# Altium PCB PCB1.PcbDoc (part 3 of 5)
Units mm, origin at the board's own origin, x right, y up, seen from the top; angles counter-clockwise.
Board outline 85 x 56 mm, 6 copper layers (Top Layer, GND, SIG_PWR, Layer 4, PWR, Bottom Layer), stack 1.549 mm thick; 170 components, 334 nets, 1426 pads, 803 vias.
Unrouted connection lines stored in the file: 7.
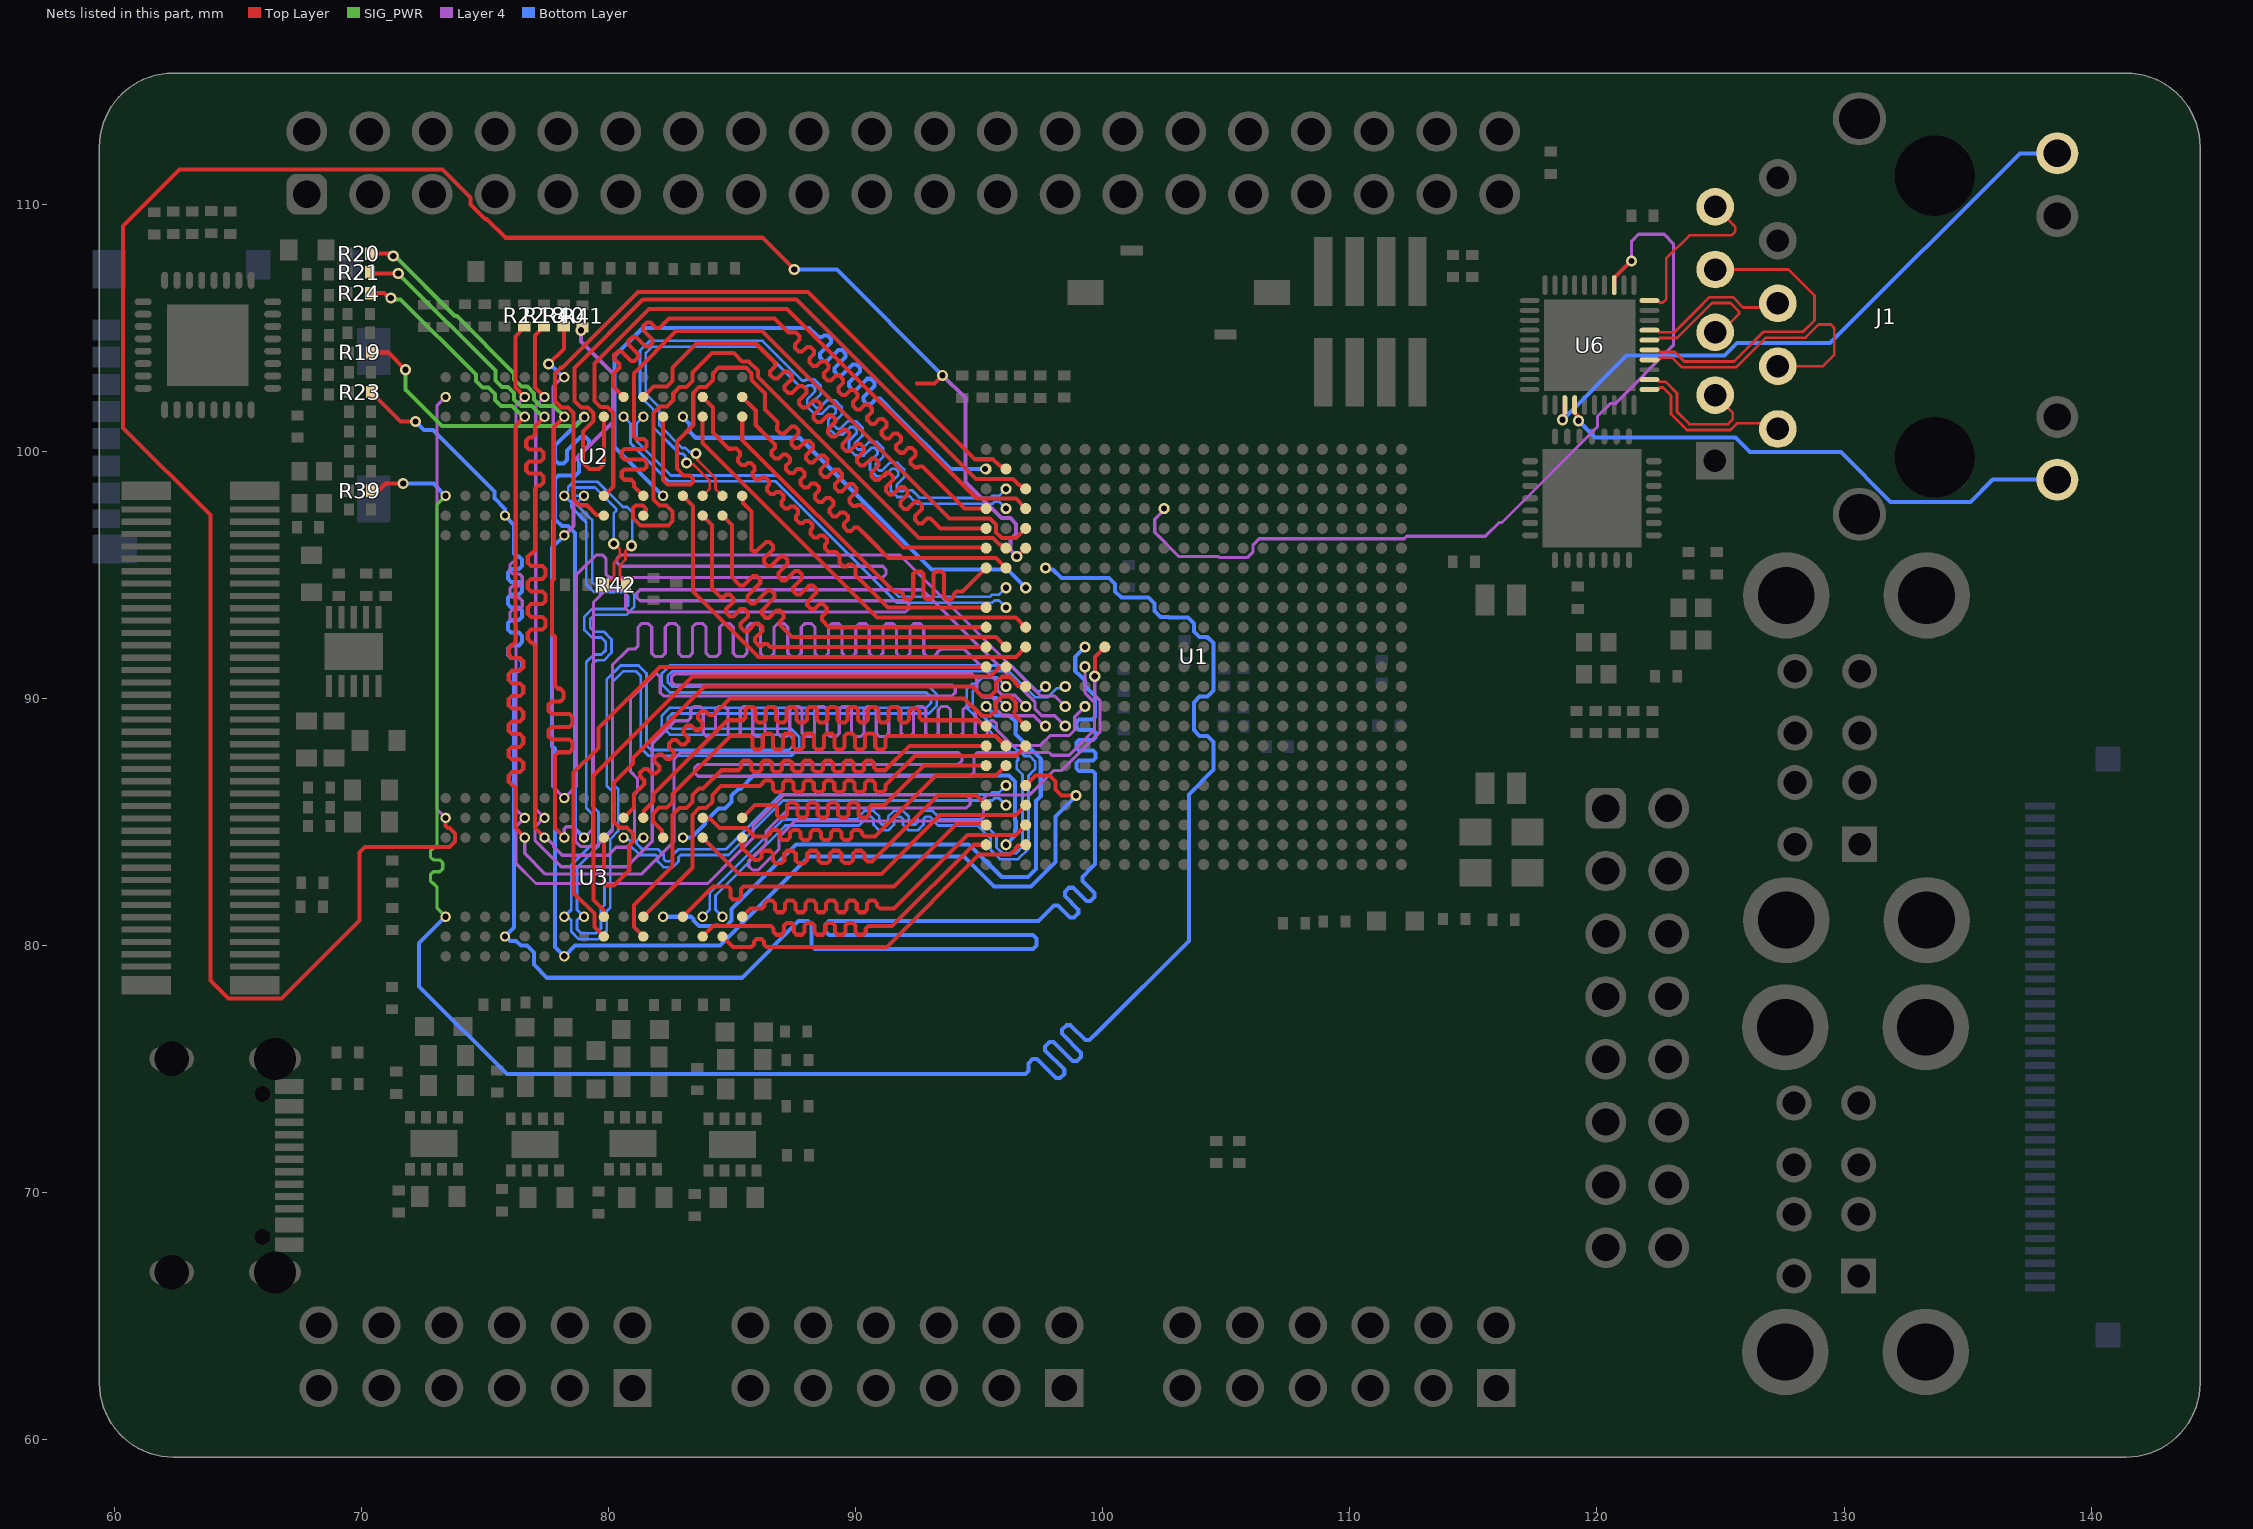
[diagram p7: the nets of this part, all layers, seen from the top]

## Via types
v1: diameter 0.45, hole 0.25, Top Layer to Bottom Layer, tented both sides, 575 vias
v2: diameter 0.4, hole 0.25, Top Layer to Bottom Layer, tented both sides, 212 vias
v3: diameter 0.5, hole 0.3, Top Layer to Bottom Layer, tented both sides, 16 vias

## Nets (pads, with @x,y where several pads share a name; then routed paths per layer and width w, separated by ;. In a path a pad name is that pad's centre, name@x,y a point inside that pad or via, vN(x,y) a via of type N, cw(c..) or ccw(c..) an arc to the next point about the centre after c; other vN are vias at no path point) (continued)
DDR_A14: R39.2 U1.G4 U2.T7 U3.T7 | length 87.3
  Top Layer w0.164: R39.2@70.4,98.4 70.682,98.4 70.982,98.7 v1(71.7,98.7)
  SIG_PWR w0.13: v2(73.418,81.169) 73.063,81.524 73.063,82.321 73.063,82.386 72.943,82.506 72.923,82.506 72.803,82.626 72.803,82.867 72.923,82.987 73.183,82.987 73.303,83.107 73.303,83.347 73.183,83.467 72.923,83.467 72.803,83.587 72.803,83.827 72.923,83.947 72.943,83.947 73.063,84.067 73.063,84.32 73.063,97.845 v2(73.418,98.2)
  Bottom Layer w0.164: v1(71.7,98.7) 72.918,98.7 v2(73.418,98.2) ; v2(73.418,81.169) 72.346,80.097 72.346,78.354 75.9,74.8 96.512,74.8 96.872,74.8 96.993,74.921 96.993,75.238 97.164,75.409 97.335,75.409 98.105,74.639 98.276,74.639 98.447,74.81 98.447,74.981 97.677,75.751 97.677,75.922 97.848,76.094 98.019,76.094 98.79,75.323 98.961,75.323 99.132,75.494 99.132,75.665 98.361,76.436 98.361,76.607 98.532,76.778 98.703,76.778 99.305,76.176 99.476,76.176 99.876,76.576 103.491,80.191 103.491,86.123 104.485,87.117 104.485,88.246 104.249,88.481 103.927,88.481 103.691,88.717 103.691,89.846 103.927,90.081 104.249,90.081 104.485,90.317 104.485,91.184 104.484,91.185 104.484,92.245 104.252,92.477 104.223,92.477 ; v1(97.688,95.281) 97.743,95.226 97.981,95.226 98.33,94.878 100.252,94.878 100.503,94.628 100.503,94.336 100.754,94.084 101.846,94.084 102.092,93.838 102.092,93.546 102.342,93.297 102.664,93.297 102.683,93.278 103.452,93.278 103.692,93.038 103.692,92.717 103.924,92.485 104.215,92.485 104.223,92.477 ; 104.25,92.45 104.223,92.477
DDR_BA0: R22.2 U1.L7 U2.M2 U3.M2 | length 76.3
  Top Layer w0.164: v2(76.618,102.2) 76.236,102.582 76.236,104.641 76.596,105 R22.2@76.646,105 ; v1(99.681,90.897) 99.685,90.901 99.685,91.678 U1.L7@100.088,92.081
  Layer 4 w0.13: v2(76.618,102.2) 76.263,101.845 76.263,96.124 76.263,95.641 76.143,95.521 76.14,95.521 76.02,95.401 76.02,95.161 76.14,95.041 76.4,95.041 76.52,94.921 76.52,94.681 76.4,94.561 76.14,94.561 76.02,94.441 76.02,94.2 76.14,94.08 76.4,94.08 76.52,93.96 76.52,93.72 76.4,93.6 76.14,93.6 76.02,93.48 76.02,93.24 76.14,93.12 76.143,93.12 76.263,93 76.263,92.934 76.263,85.524 v2(76.618,85.169) 76.263,84.814 76.263,83.327 77.075,82.515 84.015,82.515 85.15,83.65 85.85,84.35 85.85,84.85 87.1,86.1 94.486,86.1 94.645,85.941 94.645,85.729 94.486,85.57 87.32,85.57 86.38,84.63 86.38,84.13 85.684,83.434 85.684,83.209 85.834,83.059 86.059,83.059 86.911,83.911 86.911,84.411 87.539,85.039 95.017,85.039 95.176,85.198 95.176,85.941 95.176,85.945 95.331,86.1 95.4,86.1 97.043,86.1 97.044,86.101 97.045,86.101 98.032,87.088 98.344,87.088 99.889,88.633 99.889,89.93 99.681,90.138 v1(99.681,90.897)
DDR_BA1: R23.2 U1.L6 U2.N8 U3.N8 | length 90.9
  Top Layer w0.164: R23.2@70.4,102.4 71.6,101.2 v1(72.2,101.2)
  Bottom Layer w0.164: v1(72.2,101.2) 72.546,100.854 72.906,100.854 75.39,98.37 75.39,98.102 75.818,97.674 v2(75.818,97.4) 76.19,97.028 76.19,96.1 76.19,95.874 76.318,95.745 76.387,95.745 76.515,95.617 76.515,95.36 76.387,95.231 76.068,95.231 75.94,95.103 75.94,94.846 76.068,94.718 76.387,94.718 76.515,94.589 76.515,94.332 76.387,94.204 76.068,94.204 75.94,94.075 75.94,93.818 76.068,93.69 76.387,93.69 76.515,93.561 76.515,93.304 76.387,93.176 76.068,93.176 75.94,93.047 75.94,92.791 76.068,92.662 76.387,92.662 76.515,92.534 76.515,92.277 76.387,92.148 76.068,92.148 75.94,92.02 75.94,91.763 76.068,91.634 76.387,91.634 76.515,91.506 76.515,91.249 76.387,91.121 76.318,91.121 76.19,90.992 76.19,90.396 76.19,80.741 v2(75.818,80.369) 75.858,80.369 76.032,80.195 76.266,80.195 76.464,79.997 76.716,79.997 76.99,79.723 76.99,79.237 77.527,78.7 85.4,78.7 87.7,81 88,81 88.082,81 88.223,80.859 88.223,80.013 88.364,79.872 97.177,79.872 97.318,80.013 97.318,80.295 97.177,80.436 88.928,80.436 88.787,80.577 88.787,80.859 88.928,81 97.4,81 97.646,81.246 98.032,81.632 98.196,81.632 98.685,81.142 98.849,81.142 99.013,81.306 99.013,81.47 98.469,82.014 98.469,82.178 98.633,82.342 98.797,82.342 99.341,81.798 99.505,81.798 99.669,81.962 99.669,82.126 99.18,82.616 99.18,82.78 99.574,83.174 99.7,83.3 99.7,86.887 99.7,86.969 99.597,87.072 99.049,87.072 98.945,87.176 98.945,87.383 99.049,87.486 99.612,87.486 99.715,87.59 99.715,87.797 99.612,87.9 99.049,87.9 98.945,88.003 98.945,88.21 99.049,88.314 99.612,88.314 99.715,88.417 99.715,88.624 99.612,88.728 99.049,88.728 98.945,88.831 98.945,89.038 99.049,89.142 99.597,89.142 99.7,89.245 99.7,89.511 99.7,90.1 99.288,90.512 99.288,90.729 99.132,90.884 99.124,90.884 98.891,91.117 98.891,91.684 v1(99.288,92.081)
DDR_BA2: R24.2 U1.M6 U2.M3 U3.M3 | length 84.8
  Top Layer w0.164: R24.2@70.35,106.4 70.923,106.4 71.123,106.2 v1(71.2,106.2) ; v2(76.618,84.369) 76.236,84.751 76.236,86.293 76.236,86.375 76.108,86.503 76.1,86.503 75.972,86.632 75.972,86.888 76.1,87.017 76.429,87.017 76.557,87.145 76.557,87.402 76.429,87.531 76.1,87.531 75.972,87.659 75.972,87.916 76.1,88.045 76.429,88.045 76.557,88.173 76.557,88.43 76.429,88.558 76.1,88.558 75.972,88.687 75.972,88.944 76.1,89.072 76.429,89.072 76.557,89.201 76.557,89.458 76.429,89.586 76.1,89.586 75.972,89.715 75.972,89.972 76.1,90.1 76.429,90.1 76.557,90.228 76.557,90.485 76.429,90.614 76.1,90.614 75.972,90.742 75.972,90.999 76.1,91.128 76.429,91.128 76.557,91.256 76.557,91.513 76.429,91.642 76.1,91.642 75.972,91.77 75.972,92.027 76.1,92.155 76.108,92.155 76.236,92.284 76.236,92.777 76.236,101.018 v2(76.618,101.4)
  Layer 4 w0.13: v2(76.618,84.369) 76.618,83.734 77.456,82.896 81.337,82.896 82.663,84.222 82.663,87.563 82.914,87.814 83.014,87.814 94.166,87.814 94.31,87.67 94.31,87.478 94.166,87.333 83.63,87.333 83.486,87.189 83.486,86.997 83.63,86.853 94.647,86.853 94.791,86.997 94.791,87.67 94.791,87.673 94.931,87.814 95,87.814 97.832,87.814 97.944,87.701 98.645,87.701 99.668,88.724 99.668,89.839 99.288,90.219 v1(99.288,91.281)
  SIG_PWR w0.164: v1(71.2,106.2) 71.255,106.145 71.599,106.145 74.639,103.105 74.639,102.853 74.906,102.586 75.158,102.586 75.418,102.326 75.418,102.074 75.664,101.828 76.105,101.828 76.359,101.574 76.38,101.574 76.554,101.4 v2(76.618,101.4)
DDR_CAS: R20.2 U1.P3 U2.K3 U3.K3 | length 85.8
  Top Layer w0.164: R20.2@70.35,108 71.123,108 71.223,107.9 v1(71.3,107.9) ; v2(78.218,84.369) 77.836,84.751 77.836,87.1 77.836,87.696 77.965,87.824 78.422,87.824 78.551,87.953 78.551,88.21 78.422,88.338 77.715,88.338 77.586,88.467 77.586,88.723 77.715,88.852 78.422,88.852 78.551,88.98 78.551,89.237 78.422,89.366 77.715,89.366 77.586,89.494 77.586,89.751 77.715,89.88 78.055,89.88 78.183,90.008 78.183,90.265 78.055,90.393 77.965,90.393 77.836,90.522 77.836,92.5 77.728,92.608 77.728,94.754 77.8,94.826 77.8,100.982 v2(78.218,101.4)
  Layer 4 w0.13: v2(78.218,84.369) 78.218,84.737 78.294,84.814 78.586,84.814 78.663,84.737 78.663,84.222 78.871,84.014 79.514,84.014 80.173,84.673 80.173,91.373 80.8,92 81,92 81.065,92 81.203,92.138 81.203,92.893 81.34,93.031 81.616,93.031 81.753,92.893 81.753,91.833 81.891,91.695 82.166,91.695 82.303,91.833 82.303,92.893 82.441,93.031 82.716,93.031 82.854,92.893 82.854,91.833 82.991,91.695 83.267,91.695 83.404,91.833 83.404,92.893 83.542,93.031 83.817,93.031 83.955,92.893 83.955,91.833 84.092,91.695 84.367,91.695 84.505,91.833 84.505,92.893 84.642,93.031 84.918,93.031 85.055,92.893 85.055,91.833 85.193,91.695 85.468,91.695 85.606,91.833 85.606,92.893 85.743,93.031 86.018,93.031 86.156,92.893 86.156,91.833 86.294,91.695 86.569,91.695 86.706,91.833 86.706,92.893 86.844,93.031 87.119,93.031 87.257,92.893 87.257,91.833 87.394,91.695 87.669,91.695 87.807,91.833 87.807,92.893 87.945,93.031 88.22,93.031 88.357,92.893 88.357,91.833 88.495,91.695 88.77,91.695 88.908,91.833 88.908,92.893 89.045,93.031 89.32,93.031 89.458,92.893 89.458,91.833 89.596,91.695 89.871,91.695 90.008,91.833 90.008,92.893 90.146,93.031 90.421,93.031 90.559,92.893 90.559,91.833 90.696,91.695 90.971,91.695 91.109,91.833 91.109,92.893 91.247,93.031 91.522,93.031 91.659,92.893 91.659,91.833 91.797,91.695 92.072,91.695 92.21,91.833 92.21,92.893 92.347,93.031 92.623,93.031 92.76,92.893 92.76,91.833 92.898,91.695 93.173,91.695 93.31,91.833 93.31,91.862 93.448,92 93.8,92 94.4,92 95.733,90.667 95.733,90.334 95.941,90.126 96.443,90.126 v1(96.888,89.681)
  SIG_PWR w0.164: v1(71.3,107.9) 71.361,107.9 73.786,105.475 73.869,105.475 76.19,103.154 76.19,102.902 76.478,102.614 76.73,102.614 76.997,102.347 76.997,102.095 77.264,101.828 77.79,101.828 v2(78.218,101.4)
DDR_CK_N: R42.1 U1.N5 U2.K7 U3.K7 | length 98.7
  Top Layer w0.11: R42.1@80.8,94.6 80.8,94.628 80.655,94.773 80.533,94.773 80.468,94.837 80.468,95.404 80.694,95.629 80.694,95.959 80.915,96.18 v1(80.933,96.18)
  Bottom Layer w0.11: v1(80.933,96.18) 80.963,96.21 80.963,97.543 80.761,97.745 80.585,97.745 79.561,98.769 78.586,98.769 78.383,98.566 78.383,98.409 78.218,98.244 v2(78.218,98.2) 78.227,98.2 78.5,97.928 78.5,97.739 79.107,97.131 79.107,94.836 79.107,94.614 79.417,94.304 80.638,94.304 80.809,94.133 80.809,93.791 80.638,93.62 79.341,93.62 79.031,93.311 79.031,92.773 79.341,92.463 79.725,92.463 79.895,92.292 79.895,91.95 79.725,91.78 79.417,91.78 79.107,91.47 79.107,90.436 79.107,85.568 79.363,85.312 79.363,84.122 78.5,83.258 78.5,81.451 v2(78.218,81.169) 78.274,81.113 78.412,81.113 78.5,81.026 78.5,80.566 78.802,80.263 79.598,80.263 79.937,80.602 79.937,81.402 80.08,81.545 80.08,84.319 80.4,84.638 80.4,86.335 80.167,86.567 80.167,90.667 80.6,91.1 81,91.1 81.129,91.1 81.31,90.919 81.31,88.006 81.634,87.682 87.4,87.682 87.724,88.006 87.724,88.449 87.4,88.773 82.586,88.773 82.401,88.959 82.401,89.206 82.586,89.391 92.966,89.391 93.29,89.715 93.29,90.158 92.966,90.482 82.586,90.482 82.401,90.668 82.401,90.915 82.586,91.1 93.6,91.1 96.211,91.1 97.26,90.051 97.781,90.051 98.146,90.416 98.423,90.416 v1(98.488,90.481)
DDR_CK_P: R42.2 U1.N4 U2.J7 U3.J7 | length 96.7
  Top Layer w0.11: R42.2@79.9,94.6 79.9,94.628 80.045,94.773 80.167,94.773 80.232,94.837 80.232,95.502 80.457,95.727 80.457,96.039 80.236,96.26 v1(80.218,96.26)
  Bottom Layer w0.11: v2(79.018,98.2) v2@79.009,98.2 ; v1(80.218,96.26) 80.218,97.488 80.317,97.587 80.317,97.678 79.463,98.533 78.684,98.533 78.62,98.468 78.62,98.264 78.684,98.2 v2@79.009,98.2 ; v1(97.688,90.481) 97.647,90.481 97.454,90.288 97.358,90.288 96.309,91.337 93.6,91.337 82.488,91.337 82.164,91.013 82.164,90.57 82.488,90.246 92.868,90.246 93.054,90.06 93.054,89.813 92.868,89.628 82.488,89.628 82.164,89.304 82.164,88.861 82.488,88.537 87.302,88.537 87.488,88.351 87.488,88.104 87.302,87.919 81.732,87.919 81.546,88.104 81.546,91.017 81.227,91.337 81,91.337 80.502,91.337 79.931,90.765 79.931,86.469 80.163,86.237 80.163,84.736 79.843,84.417 79.843,81.643 79.7,81.5 79.7,80.7 79.5,80.5 78.9,80.5 78.736,80.664 78.736,81.026 78.824,81.113 78.962,81.113 v2(79.018,81.169) 78.736,81.451 78.736,83.16 79.6,84.024 79.6,85.41 79.344,85.666 79.344,90.436 79.344,91.372 79.515,91.543 79.823,91.543 80.132,91.852 80.132,92.39 79.823,92.7 79.439,92.7 79.268,92.871 79.268,93.213 79.439,93.384 80.737,93.384 81.046,93.693 81.046,94.231 80.737,94.541 79.515,94.541 79.344,94.712 79.344,94.836 79.344,97.229 78.736,97.837 78.736,97.928 v2@79.009,98.2
DDR_CKE: R41.2 U1.V3 U2.K9 U3.K9 | length 55.3
  Top Layer w0.164: U1.V3@96.888,86.481 97.285,86.878 97.852,86.878 98.088,86.643 98.088,86.32 98.33,86.078 98.912,86.078 v1(98.917,86.073)
  Layer 4 w0.164: v2(78.218,96.6) 78.59,96.972 78.59,99.59 80.19,101.19 80.19,103.154 78.9,104.444 v1(78.9,104.9)
  Bottom Layer w0.164: v2(78.218,96.6) 77.728,96.11 77.728,88.085 77.837,87.976 77.837,79.95 v2(78.218,79.569) 78.649,80 80.461,80 80.464,79.997 84.52,79.997 88.123,83.6 94.4,83.6 95.6,82.4 97.1,82.4 98.091,83.391 98.091,85.225 98.917,86.051 v1(98.917,86.073)
DDR_CS: R18.2 U1.P6 U2.L2 U3.L2 | length 76
  Top Layer w0.164: R18.2@77.4,105 77.35,105 77.036,104.686 77.036,102.582 v2(77.418,102.2)
  Layer 4 w0.13: v2(77.418,102.2) 77.063,101.845 77.063,85.524 v2(77.418,85.169) 77.388,85.169 77.035,84.816 77.035,84.249 78.09,83.195 80.746,83.195 81.773,84.222 81.773,88.173 82.7,89.1 82.796,89.1 83.213,89.1 83.338,89.225 83.338,89.55 83.463,89.675 83.714,89.675 83.839,89.55 83.839,88.585 83.964,88.46 84.214,88.46 84.339,88.585 84.339,89.55 84.464,89.675 84.714,89.675 84.839,89.55 84.839,88.585 84.965,88.46 85.215,88.46 85.34,88.585 85.34,89.55 85.465,89.675 85.715,89.675 85.84,89.55 85.84,88.585 85.965,88.46 86.215,88.46 86.34,88.585 86.34,89.55 86.466,89.675 86.716,89.675 86.841,89.55 86.841,88.585 86.966,88.46 87.216,88.46 87.341,88.585 87.341,89.55 87.466,89.675 87.716,89.675 87.842,89.55 87.842,88.585 87.967,88.46 88.217,88.46 88.342,88.585 88.342,89.55 88.467,89.675 88.717,89.675 88.842,89.55 88.842,88.585 88.967,88.46 89.217,88.46 89.343,88.585 89.343,89.55 89.468,89.675 89.718,89.675 89.843,89.55 89.843,88.585 89.968,88.46 90.218,88.46 90.343,88.585 90.343,89.55 90.468,89.675 90.719,89.675 90.844,89.55 90.844,88.585 90.969,88.46 91.219,88.46 91.344,88.585 91.344,89.55 91.469,89.675 91.719,89.675 91.844,89.55 91.844,88.585 91.969,88.46 92.22,88.46 92.345,88.585 92.345,89.55 92.47,89.675 92.72,89.675 92.845,89.55 92.845,88.585 92.97,88.46 93.22,88.46 93.345,88.585 93.345,89.55 93.47,89.675 93.721,89.675 93.846,89.55 93.846,88.585 93.971,88.46 94.221,88.46 94.346,88.585 94.346,89.55 94.471,89.675 94.721,89.675 94.846,89.55 94.846,88.585 94.972,88.46 95.222,88.46 95.347,88.585 95.347,88.975 95.472,89.1 95.537,89.1 95.58,89.1 95.708,88.972 95.708,88.724 96.331,88.101 97.483,88.101 97.883,88.501 98.645,88.501 98.868,88.724 98.868,89.261 v1(99.288,89.681)
DDR_DM0: U1.B1 U2.E7 | length 29.9
  Bottom Layer w0.164: v2(82.218,98.2) 80.246,100.172 80.246,103.847 81.393,104.994 88.124,104.994 88.441,104.676 88.499,104.619 88.646,104.619 88.718,104.691 88.865,104.691 89.011,104.545 89.011,104.398 88.565,103.952 88.565,103.806 88.711,103.66 88.857,103.66 89.303,104.106 89.45,104.106 89.596,103.959 89.596,103.813 89.15,103.367 89.15,103.221 89.296,103.074 89.443,103.074 89.889,103.52 90.035,103.52 90.181,103.374 90.181,103.228 89.735,102.782 89.735,102.635 89.882,102.489 90.028,102.489 90.474,102.935 90.62,102.935 90.767,102.789 90.767,102.643 90.321,102.196 90.321,102.05 90.467,101.904 90.613,101.904 90.841,102.131 90.987,102.131 91.687,101.431 93.839,99.279 v2(95.236,99.279)
DDR_DM1: U1.H3 U2.D3 | length 16.9
  Bottom Layer w0.164: v2(83.018,101.4) 83.018,101.37 83.295,101.093 83.295,100.774 83.52,100.549 87.743,100.549 93.077,95.215 96.154,95.215 v1(96.888,94.481)
DDR_DM2: U1.P1 U3.E7 | length 25.5
  Bottom Layer w0.164: v2(82.218,81.169) 83.35,81.169 83.446,81.073 83.446,81.015 83.664,80.797 84.297,80.797 84.313,80.813 84.448,80.813 84.464,80.797 84.772,80.797 84.99,81.015 84.99,81.49 87.6,84.1 94.6,84.1 95.918,82.782 96.982,82.782 97.3,83.1 97.3,85.861 97.497,86.058 97.497,87.547 96.474,88.57 96.474,88.706 96.485,88.717 96.485,89.046 96.221,89.309 95.66,89.309 v2(95.288,89.681)
DDR_DM3: U1.AA2 U3.D3 | length 17.5
  Bottom Layer w0.164: v2(83.018,84.369) 83.369,84.369 83.916,84.916 83.916,84.993 84.464,85.541 84.716,85.541 84.99,85.815 84.99,86.067 85.264,86.341 85.341,86.341 85.878,86.878 96.217,86.878 96.46,86.635 96.46,85.071 96.485,85.046 96.485,84.717 96.46,84.692 96.46,84.453 v2(96.088,84.081)
DDR_DQ0: U1.F1 U2.E3 | length 29.4
  Top Layer w0.164: U2.E3@82.218,101.4 82.218,98.835 82.388,98.665 83.319,98.665 83.421,98.767 83.421,98.902 83.298,99.025 83.044,99.025 82.773,99.296 82.773,100.405 83.436,101.068 83.436,102.358 83.678,102.6 83.958,102.6 84.236,102.878 84.236,103.158 84.46,103.382 85.576,103.382 85.8,103.158 85.8,102.895 86.346,102.349 86.346,101.692 86.561,101.477 86.853,101.185 86.853,101.039 86.825,101.011 86.825,100.865 86.972,100.719 87.118,100.719 87.409,101.01 87.555,101.01 87.702,100.864 87.702,100.717 87.41,100.426 87.41,100.28 87.557,100.133 87.703,100.133 87.994,100.425 88.141,100.425 88.287,100.278 88.287,100.132 87.996,99.841 87.996,99.694 88.142,99.548 88.288,99.548 88.58,99.839 88.726,99.839 88.872,99.693 88.872,99.547 88.581,99.256 88.581,99.109 88.727,98.963 88.874,98.963 89.165,99.254 89.311,99.254 89.458,99.108 89.458,98.962 89.166,98.67 89.166,98.524 89.313,98.378 89.459,98.378 89.75,98.669 89.896,98.669 90.043,98.523 90.043,98.376 89.752,98.085 89.752,97.939 89.898,97.792 90.044,97.792 90.072,97.82 90.218,97.82 90.276,97.762 91.934,96.104 U1.F1@95.288,96.104
DDR_DQ1: U1.E3 U2.F7 | length 28.9
  Top Layer w0.164: U2.F7@81.418,98.2 81.036,98.582 81.036,98.664 81.036,98.746 80.933,98.849 80.647,98.849 80.543,98.953 80.543,99.16 80.647,99.263 81.443,99.263 81.546,99.367 81.546,99.574 81.443,99.677 80.647,99.677 80.543,99.78 80.543,99.987 80.647,100.091 81.443,100.091 81.546,100.194 81.546,100.401 81.443,100.505 81.14,100.505 81.036,100.608 81.036,101.057 81.036,103.158 82.745,104.867 86.219,104.867 93.802,97.284 95.446,97.284 95.685,97.046 95.685,96.723 95.924,96.484 96.491,96.484 U1.E3@96.888,96.881
DDR_DQ2: U1.E1 U2.F2 | length 28.9
  Top Layer w0.164: U2.F2@81.418,102.2 81.836,102.618 82.376,102.618 82.6,102.842 82.6,103.382 83.577,104.359 85.965,104.359 86.397,103.927 86.748,103.576 86.748,103.43 86.549,103.23 86.549,103.084 86.695,102.938 86.841,102.938 87.132,103.229 87.279,103.229 87.425,103.083 87.425,102.936 87.134,102.645 87.134,102.499 87.28,102.352 87.426,102.352 87.718,102.644 87.864,102.644 88.01,102.497 88.01,102.351 87.719,102.06 87.719,101.913 87.865,101.767 88.012,101.767 88.303,102.058 88.449,102.058 88.596,101.912 88.596,101.766 88.304,101.474 88.304,101.328 88.451,101.182 88.597,101.182 88.888,101.473 89.034,101.473 89.181,101.327 89.181,101.18 88.89,100.889 88.89,100.743 89.036,100.597 89.182,100.597 89.473,100.888 89.62,100.888 89.766,100.741 89.766,100.595 89.475,100.304 89.475,100.158 89.621,100.011 89.767,100.011 90.059,100.303 90.205,100.303 90.351,100.156 90.351,100.01 90.06,99.719 90.06,99.572 90.206,99.426 90.353,99.426 90.644,99.717 90.79,99.717 90.937,99.571 90.937,99.425 90.645,99.133 90.645,98.987 90.792,98.841 90.938,98.841 91.229,99.132 91.376,99.132 91.522,98.986 91.522,98.839 91.231,98.548 91.231,98.402 91.377,98.255 91.523,98.255 91.815,98.547 91.961,98.547 92.107,98.4 92.107,98.254 91.816,97.963 91.816,97.817 91.962,97.67 92.109,97.67 92.4,97.961 92.546,97.961 92.692,97.815 92.692,97.669 92.401,97.378 92.401,97.231 92.548,97.085 92.694,97.085 92.893,97.284 93.04,97.284 93.443,96.881 93.703,96.881 U1.E1@95.288,96.881
DDR_DQ3: U1.F2 U2.F8 | length 27.1
  Top Layer w0.164: U2.F8@81.431,97.387 U2.F8@81.418,97.4 81.418,97.469 81.532,97.583 81.532,97.668 81.4,97.8 81.096,97.8 81,97.704 81,97.3 81.3,97 82.426,97 82.6,97.174 82.6,97.558 82.358,97.8 82.078,97.8 81.836,98.042 81.836,101.558 82.096,101.818 82.376,101.818 82.627,102.069 82.627,102.349 82.873,102.595 83.154,102.595 83.4,102.842 83.4,103.191 84.187,103.978 85.076,103.978 85.418,103.636 85.681,103.636 86.054,103.263 86.054,103 92.57,96.484 95.565,96.484 95.818,96.23 95.861,96.23 96.011,96.081 U1.F2@96.088,96.081
DDR_DQ4: U1.C3 U2.H3 | length 30
  Top Layer w0.164: U2.H3@79.818,101.4 79.818,99.482 79.615,99.279 79.234,99.279 78.98,99.533 78.98,100.795 79.408,101.223 79.408,101.55 79.176,101.782 78.896,101.782 78.636,102.042 78.636,103.38 81.393,106.137 87.616,106.137 94.869,98.884 96.365,98.884 96.618,98.63 96.661,98.63 96.811,98.481 U1.C3@96.888,98.481
DDR_DQ5: U1.B2 U2.H8 | length 29.6
  Top Layer w0.164: U2.H8@79.818,97.4 79.79,97.428 79.53,97.428 79.14,97.818 78.86,97.818 78.618,98.06 78.618,98.34 78.6,98.358 78.6,101.558 78.376,101.782 78.096,101.782 77.836,102.042 77.836,103.086 77.837,103.087 77.837,103.158 78.06,103.381 78.131,103.381 81.195,106.445 88.07,106.445 94.837,99.678 95.571,99.678 95.818,99.43 95.861,99.43 96.011,99.281 U1.B2@96.088,99.281
DDR_DQ6: U1.D1 U2.G2 | length 29.9
  Top Layer w0.164: U2.G2@80.618,102.2 80.2,102.618 80.2,103.122 80.399,103.321 80.457,103.379 80.457,103.525 80.239,103.743 80.239,103.89 80.385,104.036 80.531,104.036 80.918,103.65 81.064,103.65 81.21,103.796 81.21,103.943 80.824,104.329 80.824,104.475 80.97,104.621 81.117,104.621 81.503,104.235 81.649,104.235 81.795,104.381 81.795,104.528 81.409,104.914 81.409,105.06 81.556,105.207 81.702,105.207 81.92,104.988 82.066,104.988 82.283,105.205 82.453,105.375 86.727,105.375 87.237,104.865 87.295,104.807 87.441,104.807 87.449,104.815 87.596,104.815 87.742,104.669 87.742,104.522 87.551,104.331 87.551,104.185 87.697,104.038 87.843,104.038 88.035,104.23 88.181,104.23 88.327,104.083 88.327,103.937 88.136,103.746 88.136,103.6 88.282,103.453 88.429,103.453 88.62,103.645 88.766,103.645 88.913,103.498 88.913,103.352 88.721,103.161 88.721,103.014 88.868,102.868 89.014,102.868 89.205,103.059 89.351,103.059 89.498,102.913 89.498,102.767 89.306,102.575 89.306,102.429 89.453,102.283 89.599,102.283 89.79,102.474 89.937,102.474 90.083,102.328 90.083,102.181 89.892,101.99 89.892,101.844 90.038,101.697 90.184,101.697 90.376,101.889 90.522,101.889 90.668,101.742 90.668,101.596 90.477,101.405 90.477,101.258 90.623,101.112 90.77,101.112 90.961,101.303 91.107,101.303 91.254,101.157 91.254,101.011 91.062,100.819 91.062,100.673 91.209,100.527 91.355,100.527 91.546,100.718 91.693,100.718 91.839,100.572 91.839,100.426 91.648,100.234 91.648,100.088 91.794,99.942 91.94,99.942 92.132,100.133 92.278,100.133 92.424,99.987 92.424,99.84 92.233,99.649 92.233,99.503 92.379,99.356 92.525,99.356 92.562,99.393 92.709,99.393 93.974,98.128 94.032,98.07 94.421,97.681 U1.D1@95.288,97.681